# KiCad board Scan_Head_Set-Relay_board_03.01.2023.kicad_pcb
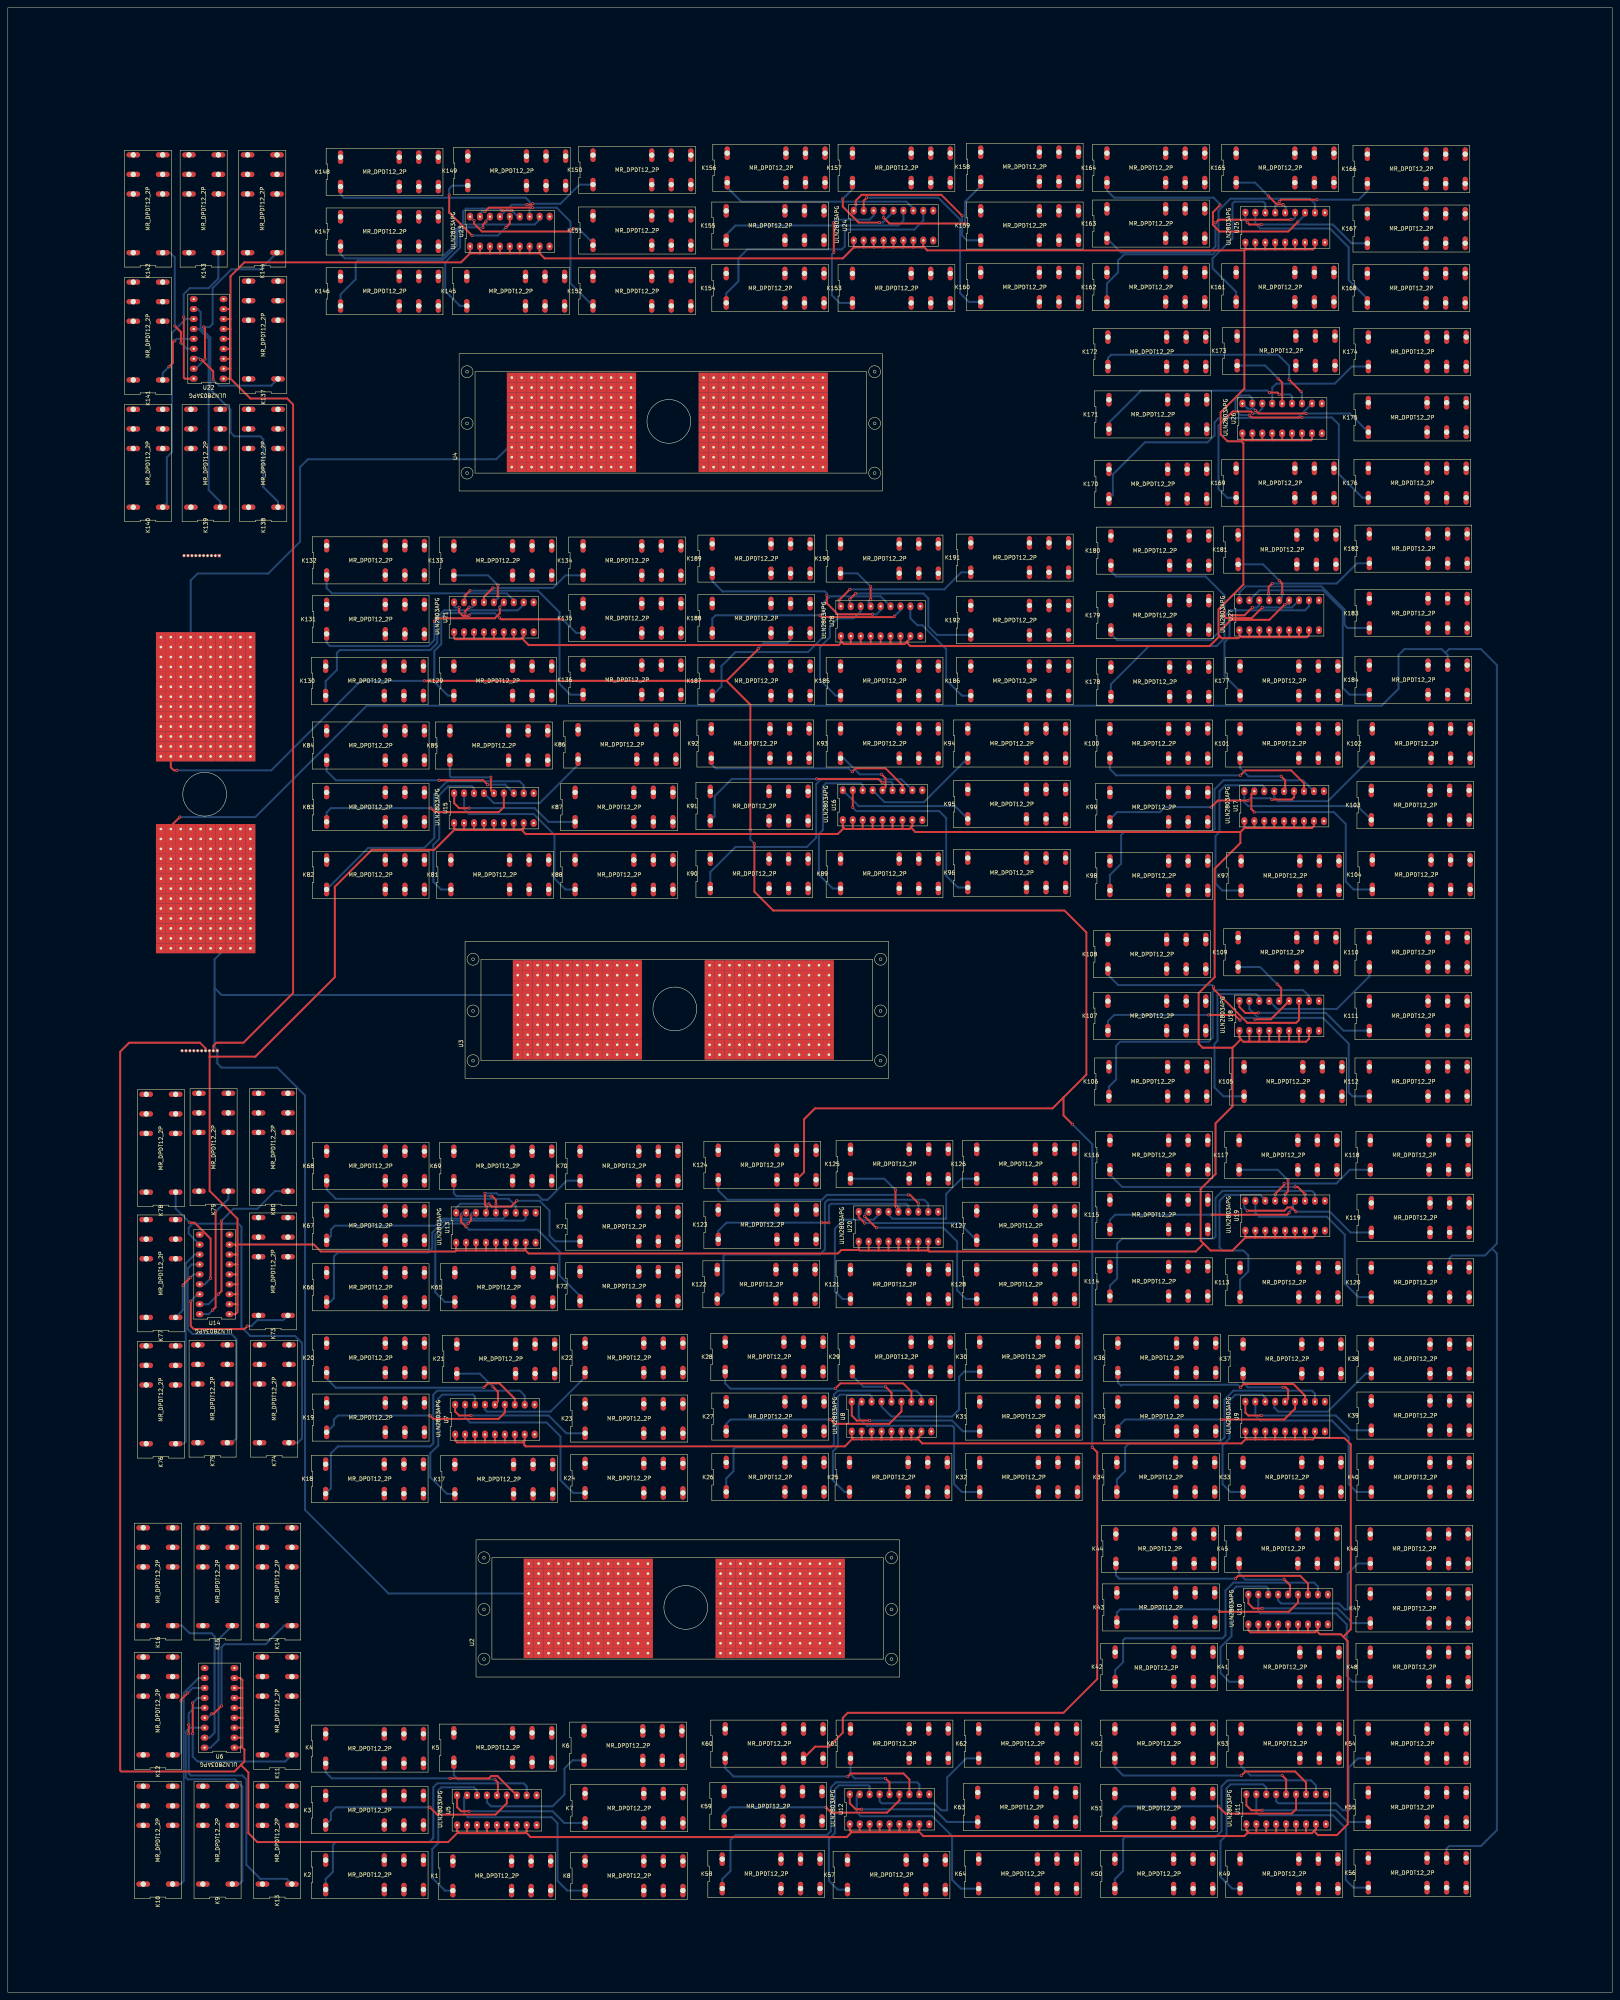
[diagram p0: board, top side]
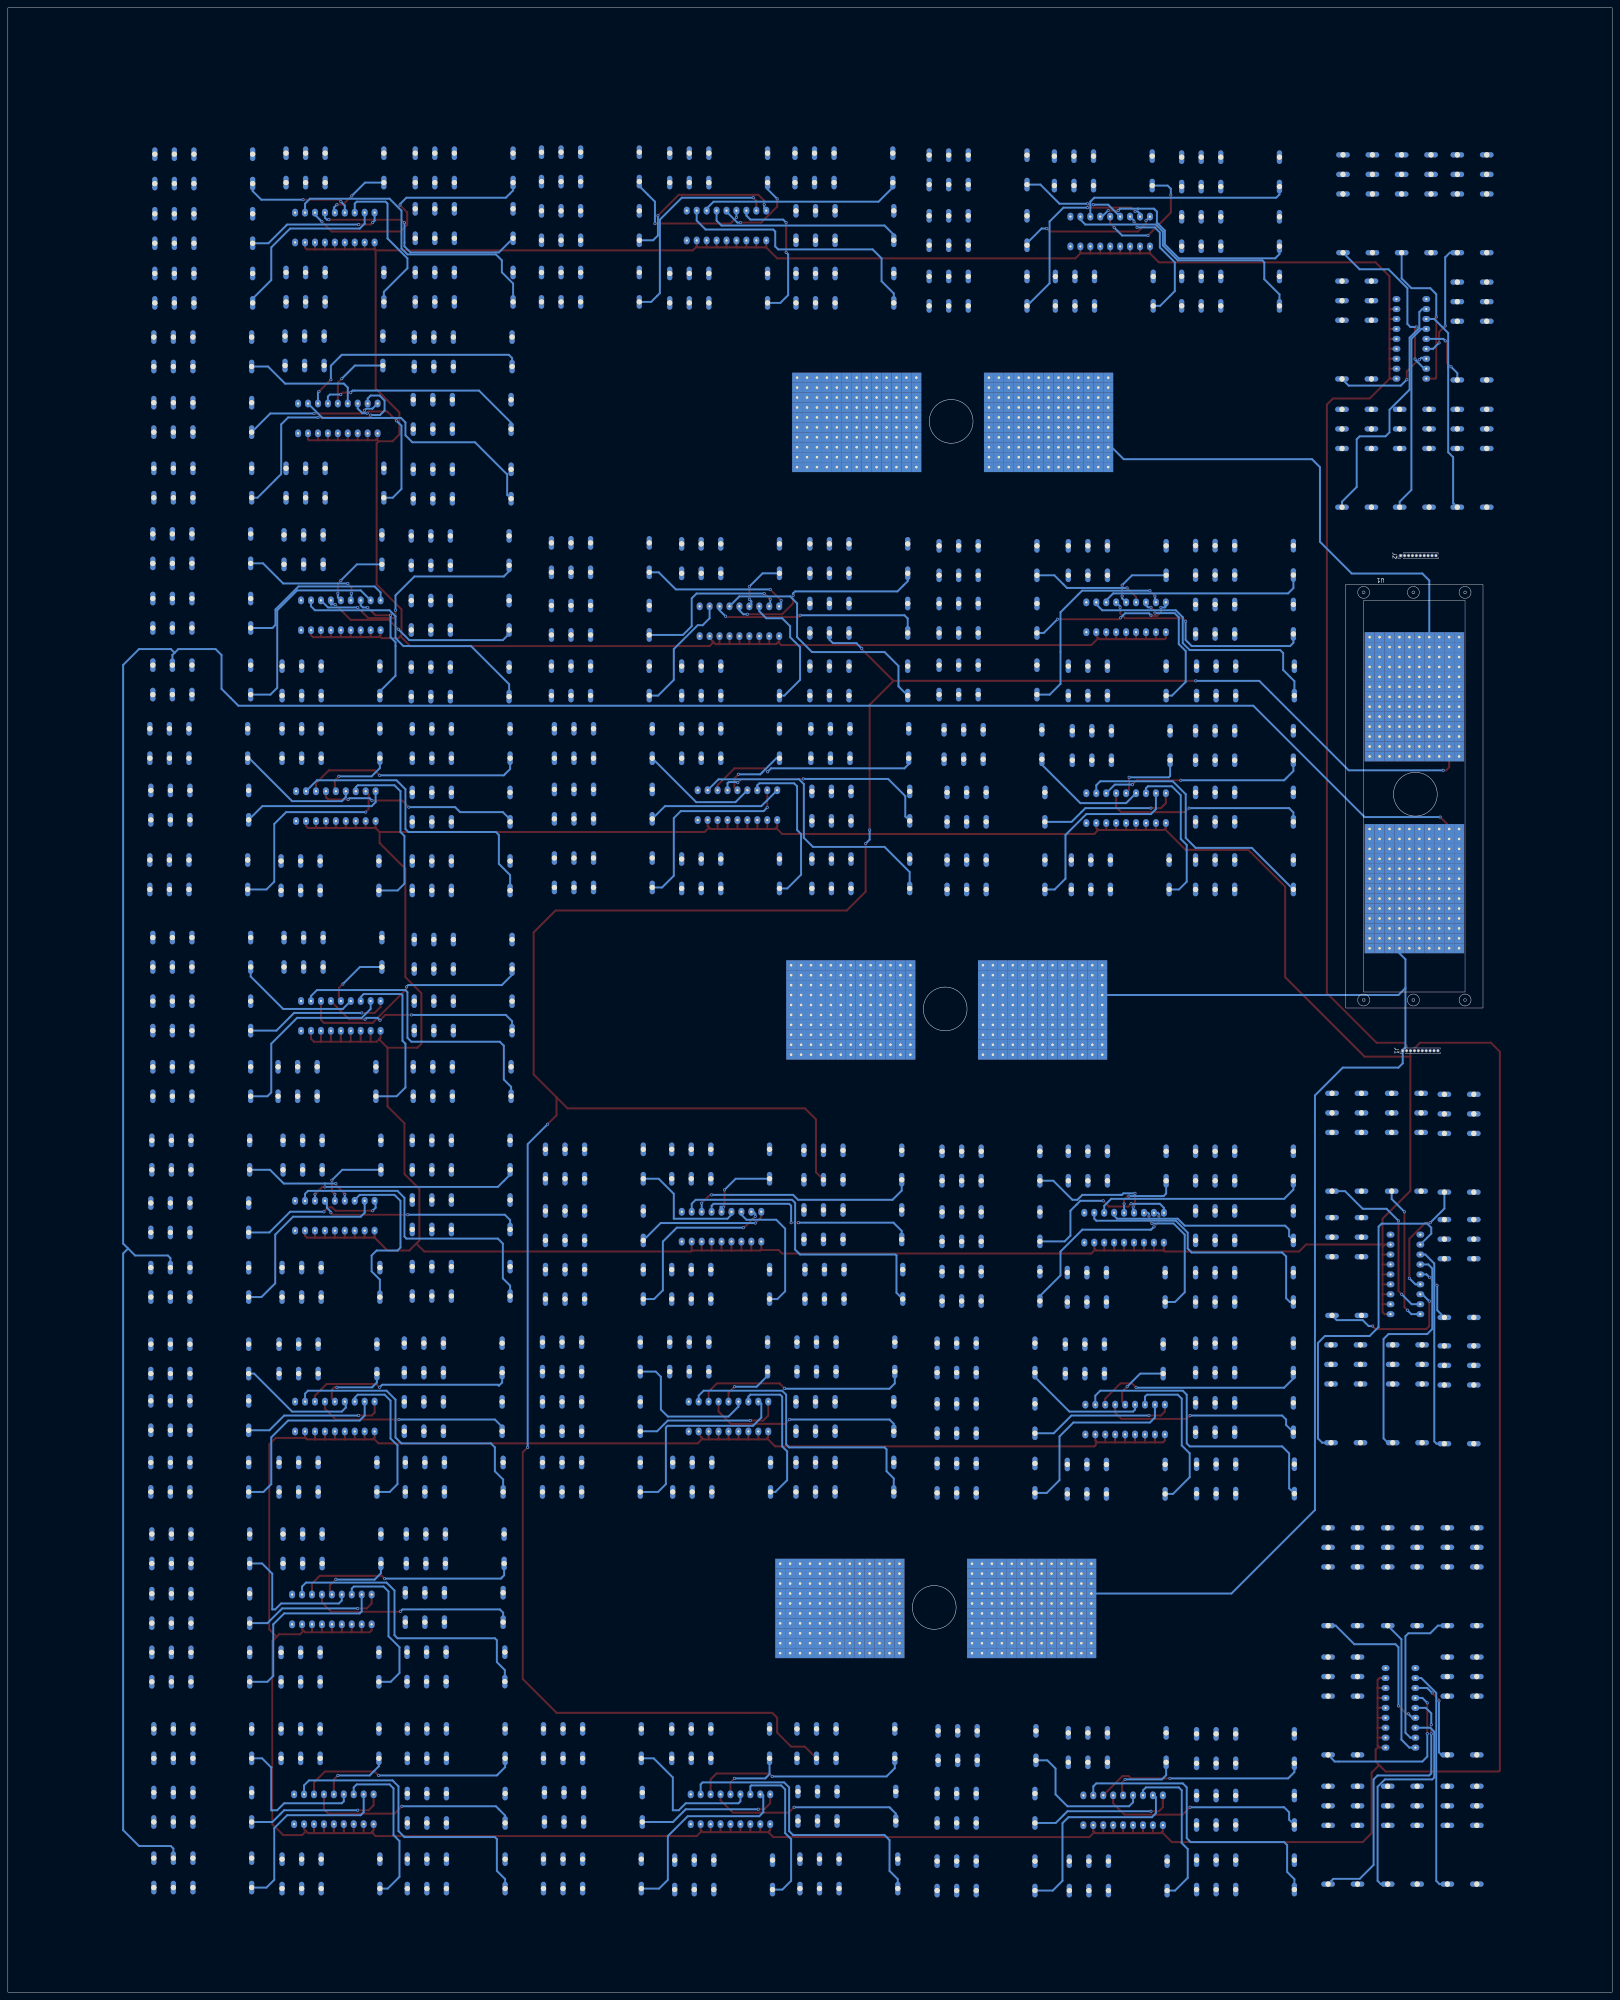
[diagram p1: board, bottom side, seen from below]

Outline 409.96 x 506.98 mm; copper layers: Top, +12V (plane), AGND, Bottom (plane). Coordinates in mm from the lower left corner of the outline.
Outline path: rectangle 0,506.98 409.96,0
Stack: Top 0.035mm / dielectric 1.51mm FR4 er 4.5 / +12V 0.035mm / dielectric 1.51mm FR4 er 4.5 / AGND 0.035mm / dielectric 1.51mm FR4 er 4.5 / Bottom 0.035mm

## Placement (name value [footprint] x y rotation side)
J1  Screw_Terminal_01x10  [PinHeader_1x10_P1.00mm_Vertical]  53.52 240.54 90 bottom
J2  Screw_Terminal_01x10  [PinHeader_1x10_P1.00mm_Vertical]  54.03 367.03 90 bottom
K1  MR_DPDT12_2P  [DIP-8_29.5X15.2mm_P2.5mm]  124.97 29.72 0 top
K2  MR_DPDT12_2P  [DIP-8_29.5X15.2mm_P2.5mm]  92.46 29.97 0 top
K3  MR_DPDT12_2P  [DIP-8_29.5X15.2mm_P2.5mm]  92.46 46.48 0 top
K4  MR_DPDT12_2P  [DIP-8_29.5X15.2mm_P2.5mm]  92.46 62.23 0 top
K5  MR_DPDT12_2P  [DIP-8_29.5X15.2mm_P2.5mm]  125.22 62.48 0 top
K6  MR_DPDT12_2P  [DIP-8_29.5X15.2mm_P2.5mm]  158.5 62.99 0 top
K7  MR_DPDT12_2P  [DIP-8_29.5X15.2mm_P2.5mm]  158.75 46.99 0 top
K8  MR_DPDT12_2P  [DIP-8_29.5X15.2mm_P2.5mm]  158.75 29.72 0 top
K9  MR_DPDT12_2P  [DIP-8_29.5X15.2mm_P2.5mm]  53.59 38.86 90 top
K10  MR_DPDT12_2P  [DIP-8_29.5X15.2mm_P2.5mm]  38.35 38.86 90 top
K11  MR_DPDT12_2P  [DIP-8_29.5X15.2mm_P2.5mm]  68.83 71.88 90 top
K12  MR_DPDT12_2P  [DIP-8_29.5X15.2mm_P2.5mm]  38.35 71.88 90 top
K13  MR_DPDT12_2P  [DIP-8_29.5X15.2mm_P2.5mm]  68.83 38.86 90 top
K14  MR_DPDT12_2P  [DIP-8_29.5X15.2mm_P2.5mm]  68.83 104.9 90 top
K15  MR_DPDT12_2P  [DIP-8_29.5X15.2mm_P2.5mm]  53.59 104.9 90 top
K16  MR_DPDT12_2P  [DIP-8_29.5X15.2mm_P2.5mm]  38.35 104.9 90 top
K17  MR_DPDT12_2P  [DIP-8_29.5X15.2mm_P2.5mm]  125.48 131.06 0 top
K18  MR_DPDT12_2P  [DIP-8_29.5X15.2mm_P2.5mm]  92.46 131.13 0 top
K19  MR_DPDT12_2P  [DIP-8_29.5X15.2mm_P2.5mm]  92.71 146.81 0 top
K20  MR_DPDT12_2P  [DIP-8_29.5X15.2mm_P2.5mm]  92.71 162.05 0 top
K21  MR_DPDT12_2P  [DIP-8_29.5X15.2mm_P2.5mm]  125.98 161.8 0 top
K22  MR_DPDT12_2P  [DIP-8_29.5X15.2mm_P2.5mm]  158.75 162.05 0 top
K23  MR_DPDT12_2P  [DIP-8_29.5X15.2mm_P2.5mm]  158.75 146.56 0 top
K24  MR_DPDT12_2P  [DIP-8_29.5X15.2mm_P2.5mm]  158.75 131.32 0 top
K25  MR_DPDT12_2P  [DIP-8_29.5X15.2mm_P2.5mm]  226.31 131.57 0 top
K26  MR_DPDT12_2P  [DIP-8_29.5X15.2mm_P2.5mm]  194.82 131.57 0 top
K27  MR_DPDT12_2P  [DIP-8_29.5X15.2mm_P2.5mm]  194.82 147.07 0 top
K28  MR_DPDT12_2P  [DIP-8_29.5X15.2mm_P2.5mm]  194.56 162.31 0 top
K29  MR_DPDT12_2P  [DIP-8_29.5X15.2mm_P2.5mm]  227.08 162.31 0 top
K30  MR_DPDT12_2P  [DIP-8_29.5X15.2mm_P2.5mm]  259.59 162.31 0 top
K31  MR_DPDT12_2P  [DIP-8_29.5X15.2mm_P2.5mm]  259.59 147.07 0 top
K32  MR_DPDT12_2P  [DIP-8_29.5X15.2mm_P2.5mm]  259.59 131.57 0 top
K33  MR_DPDT12_2P  [DIP-8_29.5X15.2mm_P2.5mm]  326.9 131.57 0 top
K34  MR_DPDT12_2P  [DIP-8_29.5X15.2mm_P2.5mm]  294.64 131.57 0 top
K35  MR_DPDT12_2P  [DIP-8_29.5X15.2mm_P2.5mm]  294.89 147.07 0 top
K36  MR_DPDT12_2P  [DIP-8_29.5X15.2mm_P2.5mm]  294.89 162.05 0 top
K37  MR_DPDT12_2P  [DIP-8_29.5X15.2mm_P2.5mm]  326.9 161.8 0 top
K38  MR_DPDT12_2P  [DIP-8_29.5X15.2mm_P2.5mm]  359.66 161.8 0 top
K39  MR_DPDT12_2P  [DIP-8_29.5X15.2mm_P2.5mm]  359.66 147.32 0 top
K40  MR_DPDT12_2P  [DIP-8_29.5X15.2mm_P2.5mm]  359.66 131.57 0 top
K41  MR_DPDT12_2P  [DIP-8_29.5X15.2mm_P2.5mm]  326.39 83.06 0 top
K42  MR_DPDT12_2P  [DIP-8_29.5X15.2mm_P2.5mm]  294.21 83.11 0 top
K43  MR_DPDT12_2P  [DIP-8_29.5X15.2mm_P2.5mm]  294.64 98.3 0 top
K44  MR_DPDT12_2P  [DIP-8_29.5X15.2mm_P2.5mm]  294.39 113.28 0 top
K45  MR_DPDT12_2P  [DIP-8_29.5X15.2mm_P2.5mm]  325.88 113.28 0 top
K46  MR_DPDT12_2P  [DIP-8_29.5X15.2mm_P2.5mm]  359.41 113.28 0 top
K47  MR_DPDT12_2P  [DIP-8_29.5X15.2mm_P2.5mm]  359.41 98.04 0 top
K48  MR_DPDT12_2P  [DIP-8_29.5X15.2mm_P2.5mm]  359.41 83.06 0 top
K49  MR_DPDT12_2P  [DIP-8_29.5X15.2mm_P2.5mm]  326.14 30.23 0 top
K50  MR_DPDT12_2P  [DIP-8_29.5X15.2mm_P2.5mm]  294.13 30.23 0 top
K51  MR_DPDT12_2P  [DIP-8_29.5X15.2mm_P2.5mm]  294.13 46.99 0 top
K52  MR_DPDT12_2P  [DIP-8_29.5X15.2mm_P2.5mm]  294.13 63.5 0 top
K53  MR_DPDT12_2P  [DIP-8_29.5X15.2mm_P2.5mm]  326.39 63.5 0 top
K54  MR_DPDT12_2P  [DIP-8_29.5X15.2mm_P2.5mm]  358.9 63.5 0 top
K55  MR_DPDT12_2P  [DIP-8_29.5X15.2mm_P2.5mm]  358.9 47.24 0 top
K56  MR_DPDT12_2P  [DIP-8_29.5X15.2mm_P2.5mm]  358.9 30.48 0 top
K57  MR_DPDT12_2P  [DIP-8_29.5X15.2mm_P2.5mm]  225.81 29.97 0 top
K58  MR_DPDT12_2P  [DIP-8_29.5X15.2mm_P2.5mm]  193.8 30.23 0 top
K59  MR_DPDT12_2P  [DIP-8_29.5X15.2mm_P2.5mm]  194.31 47.5 0 top
K60  MR_DPDT12_2P  [DIP-8_29.5X15.2mm_P2.5mm]  194.56 63.5 0 top
K61  MR_DPDT12_2P  [DIP-8_29.5X15.2mm_P2.5mm]  226.57 63.5 0 top
K62  MR_DPDT12_2P  [DIP-8_29.5X15.2mm_P2.5mm]  259.33 63.5 0 top
K63  MR_DPDT12_2P  [DIP-8_29.5X15.2mm_P2.5mm]  259.08 47.24 0 top
K64  MR_DPDT12_2P  [DIP-8_29.5X15.2mm_P2.5mm]  259.33 30.23 0 top
K65  MR_DPDT12_2P  [DIP-8_29.5X15.2mm_P2.5mm]  125.48 180.09 0 top
K66  MR_DPDT12_2P  [DIP-8_29.5X15.2mm_P2.5mm]  92.71 180.09 0 top
K67  MR_DPDT12_2P  [DIP-8_29.5X15.2mm_P2.5mm]  92.71 195.83 0 top
K68  MR_DPDT12_2P  [DIP-8_29.5X15.2mm_P2.5mm]  92.71 211.07 0 top
K69  MR_DPDT12_2P  [DIP-8_29.5X15.2mm_P2.5mm]  125.22 211.07 0 top
K70  MR_DPDT12_2P  [DIP-8_29.5X15.2mm_P2.5mm]  157.48 211.07 0 top
K71  MR_DPDT12_2P  [DIP-8_29.5X15.2mm_P2.5mm]  157.48 195.58 0 top
K72  MR_DPDT12_2P  [DIP-8_29.5X15.2mm_P2.5mm]  157.48 180.34 0 top
K73  MR_DPDT12_2P  [DIP-8_29.5X15.2mm_P2.5mm]  67.82 184.15 90 top
K74  MR_DPDT12_2P  [DIP-8_29.5X15.2mm_P2.5mm]  68.07 151.64 90 top
K75  MR_DPDT12_2P  [DIP-8_29.5X15.2mm_P2.5mm]  52.32 151.64 90 top
K76  MR_DPDT12_2P  [DIP-8_29.5X15.2mm_P2.5mm]  39.12 151.38 90 top
K77  MR_DPDT12_2P  [DIP-8_29.5X15.2mm_P2.5mm]  39.12 183.64 90 top
K78  MR_DPDT12_2P  [DIP-8_29.5X15.2mm_P2.5mm]  39.12 215.65 90 top
K79  MR_DPDT12_2P  [DIP-8_29.5X15.2mm_P2.5mm]  52.58 215.9 90 top
K80  MR_DPDT12_2P  [DIP-8_29.5X15.2mm_P2.5mm]  67.82 215.9 90 top
K81  MR_DPDT12_2P  [DIP-8_29.5X15.2mm_P2.5mm]  124.46 285.5 0 top
K82  MR_DPDT12_2P  [DIP-8_29.5X15.2mm_P2.5mm]  92.71 285.5 0 top
K83  MR_DPDT12_2P  [DIP-8_29.5X15.2mm_P2.5mm]  92.71 302.77 0 top
K84  MR_DPDT12_2P  [DIP-8_29.5X15.2mm_P2.5mm]  92.71 318.52 0 top
K85  MR_DPDT12_2P  [DIP-8_29.5X15.2mm_P2.5mm]  124.21 318.52 0 top
K86  MR_DPDT12_2P  [DIP-8_29.5X15.2mm_P2.5mm]  156.97 318.77 0 top
K87  MR_DPDT12_2P  [DIP-8_29.5X15.2mm_P2.5mm]  156.21 302.77 0 top
K88  MR_DPDT12_2P  [DIP-8_29.5X15.2mm_P2.5mm]  156.21 285.5 0 top
K89  MR_DPDT12_2P  [DIP-8_29.5X15.2mm_P2.5mm]  224.03 285.75 0 top
K90  MR_DPDT12_2P  [DIP-8_29.5X15.2mm_P2.5mm]  190.75 285.75 0 top
K91  MR_DPDT12_2P  [DIP-8_29.5X15.2mm_P2.5mm]  190.75 303.02 0 top
K92  MR_DPDT12_2P  [DIP-8_29.5X15.2mm_P2.5mm]  191.01 319.02 0 top
K93  MR_DPDT12_2P  [DIP-8_29.5X15.2mm_P2.5mm]  224.03 319.02 0 top
K94  MR_DPDT12_2P  [DIP-8_29.5X15.2mm_P2.5mm]  256.54 319.02 0 top
K95  MR_DPDT12_2P  [DIP-8_29.5X15.2mm_P2.5mm]  256.54 303.53 0 top
K96  MR_DPDT12_2P  [DIP-8_29.5X15.2mm_P2.5mm]  256.54 286 0 top
K97  MR_DPDT12_2P  [DIP-8_29.5X15.2mm_P2.5mm]  326.39 285.24 0 top
K98  MR_DPDT12_2P  [DIP-8_29.5X15.2mm_P2.5mm]  292.86 285.24 0 top
K99  MR_DPDT12_2P  [DIP-8_29.5X15.2mm_P2.5mm]  292.86 302.77 0 top
K100  MR_DPDT12_2P  [DIP-8_29.5X15.2mm_P2.5mm]  292.86 319.02 0 top
K101  MR_DPDT12_2P  [DIP-8_29.5X15.2mm_P2.5mm]  326.14 319.02 0 top
K102  MR_DPDT12_2P  [DIP-8_29.5X15.2mm_P2.5mm]  359.92 319.02 0 top
K103  MR_DPDT12_2P  [DIP-8_29.5X15.2mm_P2.5mm]  359.66 303.28 0 top
K104  MR_DPDT12_2P  [DIP-8_29.5X15.2mm_P2.5mm]  359.92 285.5 0 top
K105  MR_DPDT12_2P  [DIP-8_29.5X15.2mm_P2.5mm]  327.15 232.66 0 top
K106  MR_DPDT12_2P  [DIP-8_29.5X15.2mm_P2.5mm]  292.61 232.66 0 top
K107  MR_DPDT12_2P  [DIP-8_29.5X15.2mm_P2.5mm]  292.35 249.43 0 top
K108  MR_DPDT12_2P  [DIP-8_29.5X15.2mm_P2.5mm]  292.35 265.18 0 top
K109  MR_DPDT12_2P  [DIP-8_29.5X15.2mm_P2.5mm]  325.63 265.68 0 top
K110  MR_DPDT12_2P  [DIP-8_29.5X15.2mm_P2.5mm]  359.16 265.68 0 top
K111  MR_DPDT12_2P  [DIP-8_29.5X15.2mm_P2.5mm]  359.16 249.43 0 top
K112  MR_DPDT12_2P  [DIP-8_29.5X15.2mm_P2.5mm]  359.16 232.66 0 top
K113  MR_DPDT12_2P  [DIP-8_29.5X15.2mm_P2.5mm]  326.14 181.36 0 top
K114  MR_DPDT12_2P  [DIP-8_29.5X15.2mm_P2.5mm]  292.86 181.61 0 top
K115  MR_DPDT12_2P  [DIP-8_29.5X15.2mm_P2.5mm]  292.86 198.63 0 top
K116  MR_DPDT12_2P  [DIP-8_29.5X15.2mm_P2.5mm]  292.86 213.87 0 top
K117  MR_DPDT12_2P  [DIP-8_29.5X15.2mm_P2.5mm]  325.88 213.87 0 top
K118  MR_DPDT12_2P  [DIP-8_29.5X15.2mm_P2.5mm]  359.41 213.87 0 top
K119  MR_DPDT12_2P  [DIP-8_29.5X15.2mm_P2.5mm]  359.66 197.87 0 top
K120  MR_DPDT12_2P  [DIP-8_29.5X15.2mm_P2.5mm]  359.66 181.36 0 top
K121  MR_DPDT12_2P  [DIP-8_29.5X15.2mm_P2.5mm]  226.57 180.85 0 top
K122  MR_DPDT12_2P  [DIP-8_29.5X15.2mm_P2.5mm]  192.53 180.85 0 top
K123  MR_DPDT12_2P  [DIP-8_29.5X15.2mm_P2.5mm]  192.79 196.09 0 top
K124  MR_DPDT12_2P  [DIP-8_29.5X15.2mm_P2.5mm]  192.79 211.33 0 top
K125  MR_DPDT12_2P  [DIP-8_29.5X15.2mm_P2.5mm]  226.57 211.58 0 top
K126  MR_DPDT12_2P  [DIP-8_29.5X15.2mm_P2.5mm]  258.83 211.58 0 top
K127  MR_DPDT12_2P  [DIP-8_29.5X15.2mm_P2.5mm]  258.83 195.83 0 top
K128  MR_DPDT12_2P  [DIP-8_29.5X15.2mm_P2.5mm]  258.83 180.85 0 top
K129  MR_DPDT12_2P  [DIP-8_29.5X15.2mm_P2.5mm]  125.22 335.03 0 top
K130  MR_DPDT12_2P  [DIP-8_29.5X15.2mm_P2.5mm]  92.46 335.03 0 top
K131  MR_DPDT12_2P  [DIP-8_29.5X15.2mm_P2.5mm]  92.71 350.77 0 top
K132  MR_DPDT12_2P  [DIP-8_29.5X15.2mm_P2.5mm]  92.71 365.82 0 top
K133  MR_DPDT12_2P  [DIP-8_29.5X15.2mm_P2.5mm]  125.22 365.76 0 top
K134  MR_DPDT12_2P  [DIP-8_29.5X15.2mm_P2.5mm]  158.24 365.76 0 top
K135  MR_DPDT12_2P  [DIP-8_29.5X15.2mm_P2.5mm]  158.24 351.03 0 top
K136  MR_DPDT12_2P  [DIP-8_29.5X15.2mm_P2.5mm]  158.24 335.28 0 top
K137  MR_DPDT12_2P  [DIP-8_29.5X15.2mm_P2.5mm]  65.28 423.42 90 top
K138  MR_DPDT12_2P  [DIP-8_29.5X15.2mm_P2.5mm]  65.28 390.65 90 top
K139  MR_DPDT12_2P  [DIP-8_29.5X15.2mm_P2.5mm]  50.55 390.65 90 top
K140  MR_DPDT12_2P  [DIP-8_29.5X15.2mm_P2.5mm]  35.81 390.65 90 top
K141  MR_DPDT12_2P  [DIP-8_29.5X15.2mm_P2.5mm]  35.81 423.16 90 top
K142  MR_DPDT12_2P  [DIP-8_29.5X15.2mm_P2.5mm]  35.81 455.68 90 top
K143  MR_DPDT12_2P  [DIP-8_29.5X15.2mm_P2.5mm]  50.04 455.68 90 top
K144  MR_DPDT12_2P  [DIP-8_29.5X15.2mm_P2.5mm]  65.02 455.68 90 top
K145  MR_DPDT12_2P  [DIP-8_29.5X15.2mm_P2.5mm]  128.52 434.59 0 top
K146  MR_DPDT12_2P  [DIP-8_29.5X15.2mm_P2.5mm]  96.27 434.59 0 top
K147  MR_DPDT12_2P  [DIP-8_29.5X15.2mm_P2.5mm]  96.27 449.83 0 top
K148  MR_DPDT12_2P  [DIP-8_29.5X15.2mm_P2.5mm]  96.27 465.07 0 top
K149  MR_DPDT12_2P  [DIP-8_29.5X15.2mm_P2.5mm]  128.78 465.33 0 top
K150  MR_DPDT12_2P  [DIP-8_29.5X15.2mm_P2.5mm]  160.78 465.58 0 top
K151  MR_DPDT12_2P  [DIP-8_29.5X15.2mm_P2.5mm]  160.78 450.09 0 top
K152  MR_DPDT12_2P  [DIP-8_29.5X15.2mm_P2.5mm]  160.78 434.59 0 top
K153  MR_DPDT12_2P  [DIP-8_29.5X15.2mm_P2.5mm]  227.08 435.36 0 top
K154  MR_DPDT12_2P  [DIP-8_29.5X15.2mm_P2.5mm]  194.82 435.36 0 top
K155  MR_DPDT12_2P  [DIP-8_29.5X15.2mm_P2.5mm]  194.82 451.36 0 top
K156  MR_DPDT12_2P  [DIP-8_29.5X15.2mm_P2.5mm]  195.07 466.09 0 top
K157  MR_DPDT12_2P  [DIP-8_29.5X15.2mm_P2.5mm]  227.08 466.09 0 top
K158  MR_DPDT12_2P  [DIP-8_29.5X15.2mm_P2.5mm]  259.84 466.34 0 top
K159  MR_DPDT12_2P  [DIP-8_29.5X15.2mm_P2.5mm]  259.84 451.36 0 top
K160  MR_DPDT12_2P  [DIP-8_29.5X15.2mm_P2.5mm]  259.84 435.61 0 top
K161  MR_DPDT12_2P  [DIP-8_29.5X15.2mm_P2.5mm]  325.12 435.61 0 top
K162  MR_DPDT12_2P  [DIP-8_29.5X15.2mm_P2.5mm]  292.1 435.61 0 top
K163  MR_DPDT12_2P  [DIP-8_29.5X15.2mm_P2.5mm]  292.1 451.87 0 top
K164  MR_DPDT12_2P  [DIP-8_29.5X15.2mm_P2.5mm]  292.1 466.09 0 top
K165  MR_DPDT12_2P  [DIP-8_29.5X15.2mm_P2.5mm]  325.12 466.09 0 top
K166  MR_DPDT12_2P  [DIP-8_29.5X15.2mm_P2.5mm]  358.65 465.84 0 top
K167  MR_DPDT12_2P  [DIP-8_29.5X15.2mm_P2.5mm]  358.65 450.6 0 top
K168  MR_DPDT12_2P  [DIP-8_29.5X15.2mm_P2.5mm]  358.65 435.36 0 top
K169  MR_DPDT12_2P  [DIP-8_29.5X15.2mm_P2.5mm]  325.12 385.57 0 top
K170  MR_DPDT12_2P  [DIP-8_29.5X15.2mm_P2.5mm]  292.61 385.32 0 top
K171  MR_DPDT12_2P  [DIP-8_29.5X15.2mm_P2.5mm]  292.61 403.1 0 top
K172  MR_DPDT12_2P  [DIP-8_29.5X15.2mm_P2.5mm]  292.35 419.1 0 top
K173  MR_DPDT12_2P  [DIP-8_29.5X15.2mm_P2.5mm]  325.37 419.35 0 top
K174  MR_DPDT12_2P  [DIP-8_29.5X15.2mm_P2.5mm]  358.9 419.1 0 top
K175  MR_DPDT12_2P  [DIP-8_29.5X15.2mm_P2.5mm]  358.9 402.34 0 top
K176  MR_DPDT12_2P  [DIP-8_29.5X15.2mm_P2.5mm]  358.9 385.57 0 top
K177  MR_DPDT12_2P  [DIP-8_29.5X15.2mm_P2.5mm]  326.14 335.03 0 top
K178  MR_DPDT12_2P  [DIP-8_29.5X15.2mm_P2.5mm]  293.12 334.77 0 top
K179  MR_DPDT12_2P  [DIP-8_29.5X15.2mm_P2.5mm]  293.12 351.79 0 top
K180  MR_DPDT12_2P  [DIP-8_29.5X15.2mm_P2.5mm]  293.12 368.3 0 top
K181  MR_DPDT12_2P  [DIP-8_29.5X15.2mm_P2.5mm]  325.63 368.55 0 top
K182  MR_DPDT12_2P  [DIP-8_29.5X15.2mm_P2.5mm]  359.16 368.81 0 top
K183  MR_DPDT12_2P  [DIP-8_29.5X15.2mm_P2.5mm]  359.16 352.3 0 top
K184  MR_DPDT12_2P  [DIP-8_29.5X15.2mm_P2.5mm]  359.16 335.28 0 top
K185  MR_DPDT12_2P  [DIP-8_29.5X15.2mm_P2.5mm]  224.03 335.03 0 top
K186  MR_DPDT12_2P  [DIP-8_29.5X15.2mm_P2.5mm]  257.3 335.03 0 top
K187  MR_DPDT12_2P  [DIP-8_29.5X15.2mm_P2.5mm]  191.26 335.03 0 top
K188  MR_DPDT12_2P  [DIP-8_29.5X15.2mm_P2.5mm]  191.26 351.03 0 top
K189  MR_DPDT12_2P  [DIP-8_29.5X15.2mm_P2.5mm]  191.26 366.27 0 top
K190  MR_DPDT12_2P  [DIP-8_29.5X15.2mm_P2.5mm]  224.03 366.27 0 top
K191  MR_DPDT12_2P  [DIP-8_29.5X15.2mm_P2.5mm]  257.3 366.52 0 top
K192  MR_DPDT12_2P  [DIP-8_29.5X15.2mm_P2.5mm]  257.3 350.52 0 top
U1  -  [DL5-260RW6]  50.8 305.82 180 bottom
U2  -  [DL5-260RW6]  173.48 97.79 90 top
U3  -  [DL5-260RW6]  170.69 250.7 90 top
U4  -  [DL5-260RW6]  169.16 400.81 90 top
U5  ULN2803APG  [DIP-18_7.62mm_23.00x6.50mm_300_2.54_001]  123.95 46.74 90 top
U6  ULN2803APG  [DIP-18_7.62mm_23.00x6.50mm_300_2.54_001]  53.85 71.63 180 top
U7  ULN2803APG  [DIP-18_7.62mm_23.00x6.50mm_300_2.54_001]  123.44 146.56 90 top
U8  ULN2803APG  [DIP-18_7.62mm_23.00x6.50mm_300_2.54_001]  224.79 147.32 90 top
U9  ULN2803APG  [DIP-18_7.62mm_23.00x6.50mm_300_2.54_001]  325.37 147.32 90 top
U10  ULN2803APG  [DIP-18_7.62mm_23.00x6.50mm_300_2.54_001]  326.14 98.04 90 top
U11  ULN2803APG  [DIP-18_7.62mm_23.00x6.50mm_300_2.54_001]  325.63 46.99 90 top
U12  ULN2803APG  [DIP-18_7.62mm_23.00x6.50mm_300_2.54_001]  224.28 46.99 90 top
U13  ULN2803APG  [DIP-18_7.62mm_23.00x6.50mm_300_2.54_001]  123.7 195.58 90 top
U14  ULN2803APG  [DIP-18_7.62mm_23.00x6.50mm_300_2.54_001]  52.58 182.37 180 top
U15  ULN2803APG  [DIP-18_7.62mm_23.00x6.50mm_300_2.54_001]  123.19 302.77 90 top
U16  ULN2803APG  [DIP-18_7.62mm_23.00x6.50mm_300_2.54_001]  222.5 303.53 90 top
U17  ULN2803APG  [DIP-18_7.62mm_23.00x6.50mm_300_2.54_001]  325.12 303.28 90 top
U18  ULN2803APG  [DIP-18_7.62mm_23.00x6.50mm_300_2.54_001]  323.85 249.68 90 top
U19  ULN2803APG  [DIP-18_7.62mm_23.00x6.50mm_300_2.54_001]  325.37 198.63 90 top
U20  ULN2803APG  [DIP-18_7.62mm_23.00x6.50mm_300_2.54_001]  226.57 195.83 90 top
U21  ULN2803APG  [DIP-18_7.62mm_23.00x6.50mm_300_2.54_001]  123.19 351.54 90 top
U22  ULN2803APG  [DIP-18_7.62mm_23.00x6.50mm_300_2.54_001]  51.05 421.39 180 top
U23  ULN2803APG  [DIP-18_7.62mm_23.00x6.50mm_300_2.54_001]  127.25 450.09 90 top
U24  ULN2803APG  [DIP-18_7.62mm_23.00x6.50mm_300_2.54_001]  225.3 451.61 90 top
U25  ULN2803APG  [DIP-18_7.62mm_23.00x6.50mm_300_2.54_001]  325.37 451.1 90 top
U26  ULN2803APG  [DIP-18_7.62mm_23.00x6.50mm_300_2.54_001]  324.61 402.34 90 top
U27  ULN2803APG  [DIP-18_7.62mm_23.00x6.50mm_300_2.54_001]  323.85 352.04 90 top
U28  ULN2803APG  [DIP-18_7.62mm_23.00x6.50mm_300_2.54_001]  222 350.52 90 top

## Footprints (pads in the part's own frame, mm; a bottom-side part is the same pattern mirrored in y, then rotated)
DIP-8_29.5X15.2mm_P2.5mm
  oval 1.35x3.5 hole 1.35: 11(8.75,-3.76) 12(3.75,-3.76) 14(13.75,-3.76) 21(8.75,3.76) 22(3.75,3.76) 24(13.75,3.76) A1(-11.25,-3.76) A2(-11.25,3.76)
DIP-18_7.62mm_23.00x6.50mm_300_2.54_001
  oval 2x1.53 hole 0.55: 1(-4.064,9.144) 2(-4.064,6.604) 3(-4.064,4.064) 4(-4.064,1.524) 5(-4.064,-1.016) 6(-4.064,-3.556) 7(-4.064,-6.096) 8(-4.064,-8.636) 9(-4.064,-11.176) 10(3.556,-11.176) 11(3.556,-8.636) 12(3.556,-6.096) 13(3.556,-3.556) 14(3.556,-1.016) 15(3.556,1.524) 16(3.556,4.064) 17(3.556,6.604) 18(3.556,9.144)
DL5-260RW6
  rect 2.54x2.54 hole 0.64: A1(-11.176,40.386) A2(-8.636,40.386) A3(-6.096,40.386) A4(-3.556,40.386) A5(-1.016,40.386) A6(1.524,40.386) A7(4.064,40.386) A8(6.604,40.386) A9(9.144,40.386) A10(11.684,40.386) AA1(-11.176,-34.036) AA2(-8.636,-34.036) AA3(-6.096,-34.036) AA4(-3.556,-34.036) AA5(-1.016,-34.036) AA6(1.524,-34.036) AA7(4.064,-34.036) AA8(6.604,-34.036) AA9(9.144,-34.036) AA10(11.684,-34.036) B1(-11.176,37.846) B2(-8.636,37.846) B3(-6.096,37.846) B4(-3.556,37.846) B5(-1.016,37.846) B6(1.524,37.846) B7(4.064,37.846) B8(6.604,37.846) B9(9.144,37.846) B10(11.684,37.846) BB1(-11.176,-36.576) BB2(-8.636,-36.576) BB3(-6.096,-36.576) BB4(-3.556,-36.576) BB5(-1.016,-36.576) BB6(1.524,-36.576) BB7(4.064,-36.576) BB8(6.604,-36.576) BB9(9.144,-36.576) BB10(11.684,-36.576) C1(-11.176,35.306) C2(-8.636,35.306) C3(-6.096,35.306) C4(-3.556,35.306) C5(-1.016,35.306) C6(1.524,35.306) C7(4.064,35.306) C8(6.604,35.306) C9(9.144,35.306) C10(11.684,35.306) CC1(-11.176,-39.116) CC2(-8.636,-39.116) CC3(-6.096,-39.116) CC4(-3.556,-39.116) CC5(-1.016,-39.116) CC6(1.524,-39.116) CC7(4.064,-39.116) CC8(6.604,-39.116) CC9(9.144,-39.116) CC10(11.684,-39.116) D1(-11.176,32.766) D2(-8.636,32.766) D3(-6.096,32.766) D4(-3.556,32.766) D5(-1.016,32.766) D6(1.524,32.766) D7(4.064,32.766) D8(6.604,32.766) D9(9.144,32.766) D10(11.684,32.766) E1(-11.176,30.226) E2(-8.636,30.226) E3(-6.096,30.226) E4(-3.556,30.226) E5(-1.016,30.226) E6(1.524,30.226) E7(4.064,30.226) E8(6.604,30.226) E9(9.144,30.226) E10(11.684,30.226) F1(-11.176,27.686) F2(-8.636,27.686) F3(-6.096,27.686) F4(-3.556,27.686) F5(-1.016,27.686) F6(1.524,27.686) F7(4.064,27.686) F8(6.604,27.686) F9(9.144,27.686) F10(11.684,27.686) G1(-11.176,25.146) G2(-8.636,25.146) G3(-6.096,25.146) G4(-3.556,25.146) G5(-1.016,25.146) G6(1.524,25.146) G7(4.064,25.146) G8(6.604,25.146) G9(9.144,25.146) G10(11.684,25.146) H1(-11.176,22.606) H2(-8.636,22.606) H3(-6.096,22.606) H4(-3.556,22.606) H5(-1.016,22.606) H6(1.524,22.606) H7(4.064,22.606) H8(6.604,22.606) H9(9.144,22.606) H10(11.684,22.606) J1(-11.176,20.066) J2(-8.636,20.066) J3(-6.096,20.066) J4(-3.556,20.066) J5(-1.016,20.066) J6(1.524,20.066) J7(4.064,20.066) J8(6.604,20.066) J9(9.144,20.066) J10(11.684,20.066) K1(-11.176,17.526) K2(-8.636,17.526) K3(-6.096,17.526) K4(-3.556,17.526) K5(-1.016,17.526) K6(1.524,17.526) K7(4.064,17.526) K8(6.604,17.526) K9(9.144,17.526) K10(11.684,17.526) L1(-11.176,14.986) L2(-8.636,14.986) L3(-6.096,14.986) L4(-3.556,14.986) L5(-1.016,14.986) L6(1.524,14.986) L7(4.064,14.986) L8(6.604,14.986) L9(9.144,14.986) L10(11.684,14.986) M1(-11.176,12.446) M2(-8.636,12.446) M3(-6.096,12.446) M4(-3.556,12.446) M5(-1.016,12.446) M6(1.524,12.446) M7(4.064,12.446) M8(6.604,12.446) M9(9.144,12.446) M10(11.684,12.446) N1(-11.176,9.906) N2(-8.636,9.906) N3(-6.096,9.906) N4(-3.556,9.906) N5(-1.016,9.906) N6(1.524,9.906) N7(4.064,9.906) N8(6.604,9.906) N9(9.144,9.906) N10(11.684,9.906) P1(-11.176,-8.636) P2(-8.636,-8.636) P3(-6.096,-8.636) P4(-3.556,-8.636) P5(-1.016,-8.636) P6(1.524,-8.636) P7(4.064,-8.636) P8(6.604,-8.636) P9(9.144,-8.636) P10(11.684,-8.636) R1(-11.176,-11.176) R2(-8.636,-11.176) R3(-6.096,-11.176) R4(-3.556,-11.176) R5(-1.016,-11.176) R6(1.524,-11.176) R7(4.064,-11.176) R8(6.604,-11.176) R9(9.144,-11.176) R10(11.684,-11.176) S1(-11.176,-13.716) S2(-8.636,-13.716) S3(-6.096,-13.716) S4(-3.556,-13.716) S5(-1.016,-13.716) S6(1.524,-13.716) S7(4.064,-13.716) S8(6.604,-13.716) S9(9.144,-13.716) S10(11.684,-13.716) T1(-11.176,-16.256) T2(-8.636,-16.256) T3(-6.096,-16.256) T4(-3.556,-16.256) T5(-1.016,-16.256) T6(1.524,-16.256) T7(4.064,-16.256) T8(6.604,-16.256) T9(9.144,-16.256) T10(11.684,-16.256) U1(-11.176,-18.796) U2(-8.636,-18.796) U3(-6.096,-18.796) U4(-3.556,-18.796) U5(-1.016,-18.796) U6(1.524,-18.796) U7(4.064,-18.796) U8(6.604,-18.796) U9(9.144,-18.796) U10(11.684,-18.796) V1(-11.176,-21.336) V2(-8.636,-21.336) V3(-6.096,-21.336) V4(-3.556,-21.336) V5(-1.016,-21.336) V6(1.524,-21.336) V7(4.064,-21.336) V8(6.604,-21.336) V9(9.144,-21.336) V10(11.684,-21.336) W1(-11.176,-23.876) W2(-8.636,-23.876) W3(-6.096,-23.876) W4(-3.556,-23.876) W5(-1.016,-23.876) W6(1.524,-23.876) W7(4.064,-23.876) W8(6.604,-23.876) W9(9.144,-23.876) W10(11.684,-23.876) X1(-11.176,-26.416) X2(-8.636,-26.416) X3(-6.096,-26.416) X4(-3.556,-26.416) X5(-1.016,-26.416) X6(1.524,-26.416) X7(4.064,-26.416) X8(6.604,-26.416) X9(9.144,-26.416) X10(11.684,-26.416) Y1(-11.176,-28.956) Y2(-8.636,-28.956) Y3(-6.096,-28.956) Y4(-3.556,-28.956) Y5(-1.016,-28.956) Y6(1.524,-28.956) Y7(4.064,-28.956) Y8(6.604,-28.956) Y9(9.144,-28.956) Y10(11.684,-28.956) Z1(-11.176,-31.496) Z2(-8.636,-31.496) Z3(-6.096,-31.496) Z4(-3.556,-31.496) Z5(-1.016,-31.496) Z6(1.524,-31.496) Z7(4.064,-31.496) Z8(6.604,-31.496) Z9(9.144,-31.496) Z10(11.684,-31.496)